# KiCad board Eclipse65.kicad_pcb (continued)
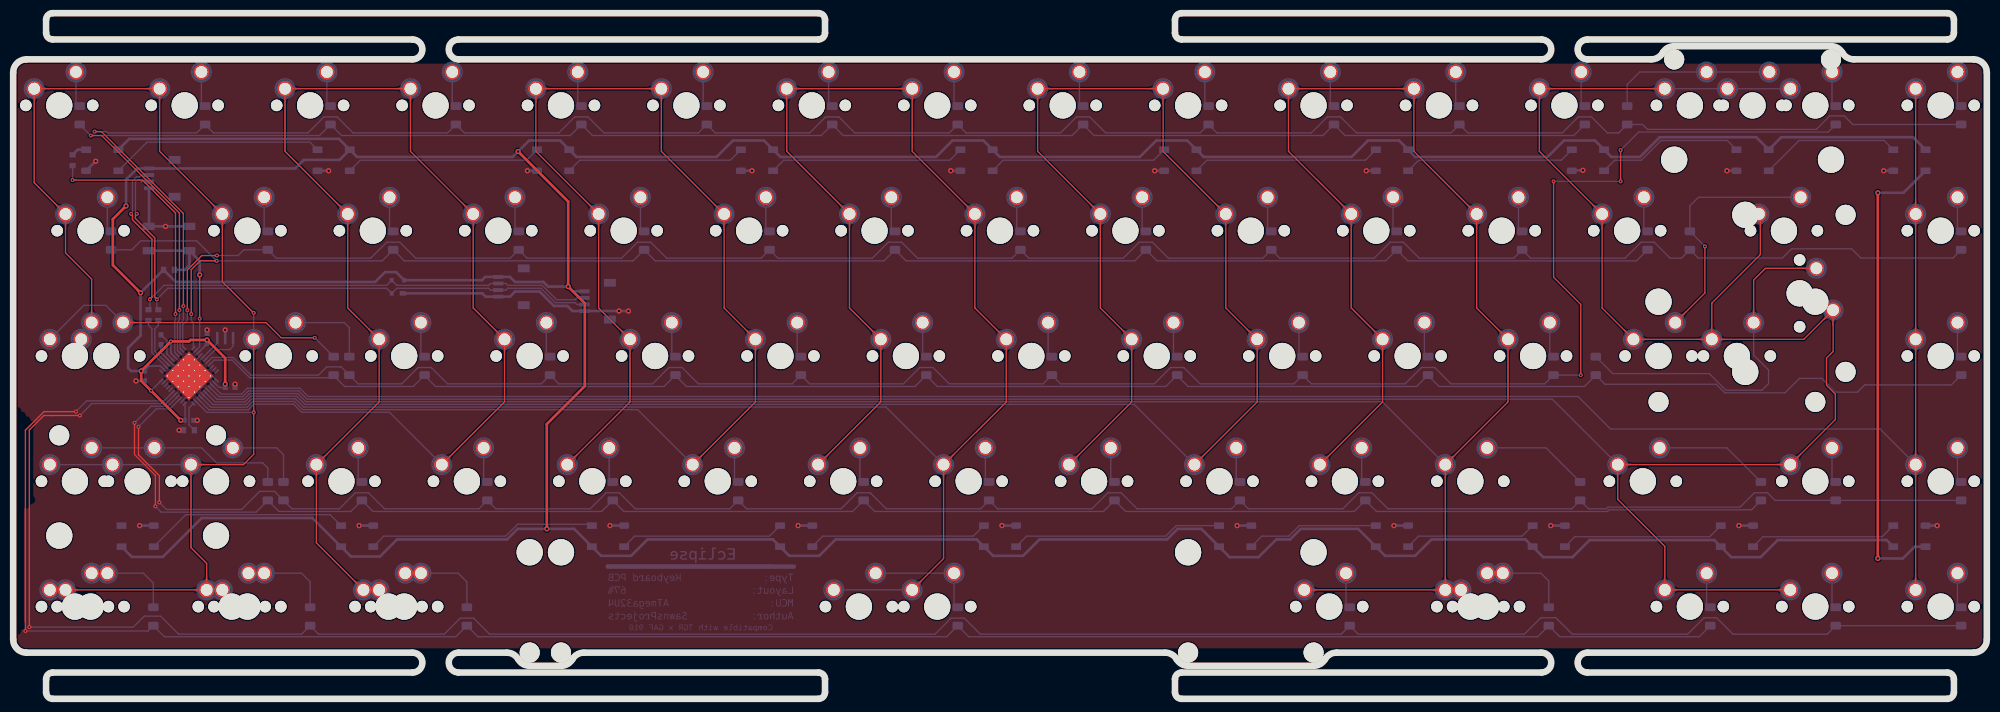
[diagram p0: board, top side]
## Copper pours and planes (outline as drawn; the poured copper is in the pictures) (continued)
Net-(D67-Pad2) on Bottom: 65.12,19.2 64.98,19.21 64.85,19.22 64.73,19.23 64.62,19.24 64.52,19.27 64.42,19.29 64.33,19.32 64.25,19.35 64.17,19.39 64.1,19.43 64.02,19.47 63.96,19.52 63.89,19.57 63.83,19.62 63.77,19.67 63.71,19.72 63.4,20.01 63.33,20.07 63.26,20.13 63.19,20.19 63.11,20.25 63.02,20.31 62.93,20.37 62.84,20.43 62.73,20.49 62.62,20.54 61.13,19.1 62.62,17.66 62.73,17.72 62.84,17.78 62.93,17.84 63.02,17.9 63.11,17.96 63.19,18.02 63.26,18.08 63.33,18.14 63.4,18.2 63.71,18.49 63.77,18.54 63.83,18.59 63.89,18.64 63.96,18.69 64.02,18.74 64.1,18.78 64.17,18.82 64.25,18.86 64.33,18.89 64.42,18.92 64.52,18.94 64.62,18.97 64.73,18.98 64.85,18.99 64.98,19 65.12,19
Net-(D67-Pad2) on Bottom: 64.32,19.2 64.22,19.21 64.12,19.21 64.03,19.22 63.95,19.23 63.87,19.25 63.8,19.27 63.73,19.29 63.67,19.31 63.61,19.34 63.55,19.37 63.5,19.4 63.45,19.43 63.4,19.47 63.35,19.5 62.92,19.88 62.87,19.93 62.81,19.97 62.75,20.01 62.68,20.06 62.61,20.1 62.53,20.14 62.45,20.18 61.33,19.1 62.45,18.02 62.53,18.07 62.61,18.11 62.68,18.15 62.75,18.2 62.81,18.24 62.87,18.28 62.92,18.33 63.35,18.71 63.4,18.74 63.45,18.78 63.5,18.81 63.55,18.84 63.61,18.87 63.67,18.9 63.73,18.92 63.8,18.94 63.87,18.96 63.95,18.98 64.03,18.99 64.12,19 64.22,19 64.32,19
Net-(D68-Pad2) on Bottom: 229.42,19.2 229.29,19.21 229.16,19.22 229.04,19.23 228.93,19.24 228.83,19.27 228.73,19.29 228.64,19.32 228.56,19.35 228.48,19.39 228.4,19.43 228.33,19.47 228.26,19.52 228.2,19.57 228.13,19.62 228.07,19.67 228.01,19.72 227.7,20.01 227.64,20.07 227.57,20.13 227.49,20.19 227.41,20.25 227.33,20.31 227.24,20.37 227.14,20.43 227.04,20.49 226.93,20.54 225.43,19.1 226.93,17.66 227.04,17.72 227.14,17.78 227.24,17.84 227.33,17.9 227.41,17.96 227.49,18.02 227.57,18.08 227.64,18.14 227.7,18.2 228.01,18.49 228.07,18.54 228.13,18.59 228.2,18.64 228.26,18.69 228.33,18.74 228.4,18.78 228.48,18.82 228.56,18.86 228.64,18.89 228.73,18.92 228.83,18.94 228.93,18.97 229.04,18.98 229.16,18.99 229.29,19 229.42,19
Net-(D68-Pad2) on Bottom: 228.62,19.2 228.52,19.21 228.43,19.21 228.34,19.22 228.26,19.23 228.18,19.25 228.11,19.27 228.04,19.29 227.97,19.31 227.92,19.34 227.86,19.37 227.81,19.4 227.75,19.43 227.71,19.47 227.66,19.5 227.23,19.88 227.17,19.93 227.12,19.97 227.05,20.01 226.99,20.06 226.91,20.1 226.84,20.14 226.76,20.18 225.63,19.1 226.76,18.02 226.84,18.07 226.91,18.11 226.99,18.15 227.05,18.2 227.12,18.24 227.17,18.28 227.23,18.33 227.66,18.71 227.71,18.74 227.75,18.78 227.81,18.81 227.86,18.84 227.92,18.87 227.97,18.9 228.04,18.92 228.11,18.94 228.18,18.96 228.26,18.98 228.34,18.99 228.43,19 228.52,19 228.62,19
Net-(D68-Pad2) on Bottom: 233.12,15.11 232.68,14.19 233.22,13.62 233.76,14.19 233.32,15.11
Net-(D69-Pad2) on Bottom: 142.99,16.71 142.99,16.82 143,16.91 143.01,17 143.02,17.08 143.03,17.16 143.05,17.23 143.07,17.3 143.1,17.36 143.12,17.42 143.15,17.48 143.18,17.53 143.22,17.58 143.25,17.63 143.29,17.68 143.67,18.11 143.71,18.16 143.76,18.22 143.8,18.29 143.84,18.35 143.89,18.42 143.93,18.5 143.97,18.58 142.89,19.7 141.81,18.58 141.85,18.5 141.89,18.42 141.94,18.35 141.98,18.29 142.02,18.22 142.07,18.16 142.11,18.11 142.49,17.68 142.53,17.63 142.56,17.58 142.6,17.53 142.63,17.48 142.66,17.42 142.68,17.36 142.71,17.3 142.73,17.23 142.75,17.16 142.76,17.08 142.77,17 142.78,16.91 142.79,16.82 142.79,16.71
Net-(D69-Pad2) on Bottom: 142.99,15.91 142.99,16.05 143,16.18 143.01,16.3 143.03,16.41 143.05,16.51 143.08,16.61 143.11,16.7 143.14,16.78 143.18,16.86 143.21,16.94 143.26,17.01 143.3,17.08 143.35,17.14 143.4,17.2 143.45,17.27 143.51,17.33 143.8,17.63 143.86,17.7 143.92,17.77 143.98,17.85 144.04,17.93 144.1,18.01 144.16,18.1 144.22,18.2 144.27,18.3 144.33,18.41 142.89,19.9 141.45,18.41 141.51,18.3 141.56,18.2 141.62,18.1 141.68,18.01 141.74,17.93 141.8,17.85 141.86,17.77 141.92,17.7 141.98,17.63 142.27,17.33 142.33,17.27 142.38,17.2 142.43,17.14 142.48,17.08 142.52,17.01 142.57,16.94 142.6,16.86 142.64,16.78 142.67,16.7 142.7,16.61 142.73,16.51 142.75,16.41 142.77,16.3 142.78,16.18 142.79,16.05 142.79,15.91
Net-(D69-Pad2) on Bottom: 133.37,19.2 133.27,19.21 133.18,19.21 133.09,19.22 133.01,19.23 132.93,19.25 132.86,19.27 132.79,19.29 132.72,19.31 132.67,19.34 132.61,19.37 132.56,19.4 132.5,19.43 132.46,19.47 132.41,19.5 131.98,19.88 131.92,19.93 131.87,19.97 131.8,20.01 131.74,20.06 131.66,20.1 131.59,20.14 131.51,20.18 130.38,19.1 131.51,18.02 131.59,18.07 131.66,18.11 131.74,18.15 131.8,18.2 131.87,18.24 131.92,18.28 131.98,18.33 132.41,18.71 132.46,18.74 132.5,18.78 132.56,18.81 132.61,18.84 132.67,18.87 132.72,18.9 132.79,18.92 132.86,18.94 132.93,18.96 133.01,18.98 133.09,18.99 133.18,19 133.27,19 133.37,19
Net-(D69-Pad2) on Bottom: 134.17,19.2 134.04,19.21 133.91,19.22 133.79,19.23 133.68,19.24 133.58,19.27 133.48,19.29 133.39,19.32 133.31,19.35 133.23,19.39 133.15,19.43 133.08,19.47 133.01,19.52 132.95,19.57 132.88,19.62 132.82,19.67 132.76,19.72 132.45,20.01 132.39,20.07 132.32,20.13 132.24,20.19 132.16,20.25 132.08,20.31 131.99,20.37 131.89,20.43 131.79,20.49 131.68,20.54 130.18,19.1 131.68,17.66 131.79,17.72 131.89,17.78 131.99,17.84 132.08,17.9 132.16,17.96 132.24,18.02 132.32,18.08 132.39,18.14 132.45,18.2 132.76,18.49 132.82,18.54 132.88,18.59 132.95,18.64 133.01,18.69 133.08,18.74 133.15,18.78 133.23,18.82 133.31,18.86 133.39,18.89 133.48,18.92 133.58,18.94 133.68,18.97 133.79,18.98 133.91,18.99 134.04,19 134.17,19
Net-(D69-Pad2) on Bottom: 140.5,19 140.6,19 140.7,19 140.79,18.99 140.87,18.98 140.95,18.96 141.02,18.94 141.09,18.92 141.15,18.9 141.21,18.87 141.26,18.84 141.32,18.81 141.37,18.78 141.42,18.74 141.47,18.71 141.89,18.33 141.95,18.28 142.01,18.24 142.07,18.2 142.14,18.15 142.21,18.11 142.29,18.07 142.37,18.02 143.49,19.1 142.37,20.18 142.29,20.14 142.21,20.1 142.14,20.06 142.07,20.01 142.01,19.97 141.95,19.93 141.89,19.88 141.47,19.5 141.42,19.47 141.37,19.43 141.32,19.4 141.26,19.37 141.21,19.34 141.15,19.31 141.09,19.29 141.02,19.27 140.95,19.25 140.87,19.23 140.79,19.22 140.7,19.21 140.6,19.21 140.5,19.2
Net-(D69-Pad2) on Bottom: 139.7,19 139.84,19 139.96,18.99 140.08,18.98 140.19,18.97 140.3,18.94 140.39,18.92 140.48,18.89 140.57,18.86 140.65,18.82 140.72,18.78 140.79,18.74 140.86,18.69 140.93,18.64 140.99,18.59 141.05,18.54 141.11,18.49 141.42,18.2 141.49,18.14 141.56,18.08 141.63,18.02 141.71,17.96 141.8,17.9 141.88,17.84 141.98,17.78 142.08,17.72 142.19,17.66 143.69,19.1 142.19,20.54 142.08,20.49 141.98,20.43 141.88,20.37 141.8,20.31 141.71,20.25 141.63,20.19 141.56,20.13 141.49,20.07 141.42,20.01 141.11,19.72 141.05,19.67 140.99,19.62 140.93,19.57 140.86,19.52 140.79,19.47 140.72,19.43 140.65,19.39 140.57,19.35 140.48,19.32 140.39,19.29 140.3,19.27 140.19,19.24 140.08,19.23 139.96,19.22 139.84,19.21 139.7,19.2
Net-(D71-Pad2) on Bottom: 257.29,15.91 257.29,16.05 257.3,16.18 257.31,16.3 257.33,16.41 257.35,16.51 257.38,16.61 257.41,16.7 257.44,16.78 257.48,16.86 257.51,16.94 257.56,17.01 257.6,17.08 257.65,17.14 257.7,17.2 257.75,17.27 257.81,17.33 258.1,17.63 258.16,17.7 258.22,17.77 258.28,17.85 258.34,17.93 258.4,18.01 258.46,18.1 258.52,18.2 258.57,18.3 258.63,18.41 257.19,19.9 255.75,18.41 255.81,18.3 255.86,18.2 255.92,18.1 255.98,18.01 256.04,17.93 256.1,17.85 256.16,17.77 256.22,17.7 256.28,17.63 256.57,17.33 256.63,17.27 256.68,17.2 256.73,17.14 256.78,17.08 256.82,17.01 256.87,16.94 256.9,16.86 256.94,16.78 256.97,16.7 257,16.61 257.03,16.51 257.05,16.41 257.07,16.3 257.08,16.18 257.09,16.05 257.09,15.91
Net-(D71-Pad2) on Bottom: 257.29,16.71 257.29,16.82 257.3,16.91 257.31,17 257.32,17.08 257.33,17.16 257.35,17.23 257.37,17.3 257.4,17.36 257.42,17.42 257.45,17.48 257.48,17.53 257.52,17.58 257.55,17.63 257.59,17.68 257.97,18.11 258.01,18.16 258.06,18.22 258.1,18.29 258.14,18.35 258.19,18.42 258.23,18.5 258.27,18.58 257.19,19.7 256.11,18.58 256.15,18.5 256.19,18.42 256.24,18.35 256.28,18.29 256.32,18.22 256.37,18.16 256.41,18.11 256.79,17.68 256.83,17.63 256.86,17.58 256.9,17.53 256.93,17.48 256.96,17.42 256.98,17.36 257.01,17.3 257.03,17.23 257.05,17.16 257.06,17.08 257.07,17 257.08,16.91 257.09,16.82 257.09,16.71
Net-(D72-Pad2) on Bottom: 276.34,16.71 276.34,16.82 276.35,16.91 276.36,17 276.37,17.08 276.38,17.16 276.4,17.23 276.42,17.3 276.45,17.36 276.47,17.42 276.5,17.48 276.53,17.53 276.57,17.58 276.6,17.63 276.64,17.68 277.02,18.11 277.06,18.16 277.11,18.22 277.15,18.29 277.19,18.35 277.24,18.42 277.28,18.5 277.32,18.58 276.24,19.7 275.16,18.58 275.2,18.5 275.24,18.42 275.29,18.35 275.33,18.29 275.37,18.22 275.42,18.16 275.46,18.11 275.84,17.68 275.88,17.63 275.91,17.58 275.95,17.53 275.98,17.48 276.01,17.42 276.03,17.36 276.06,17.3 276.08,17.23 276.1,17.16 276.11,17.08 276.12,17 276.13,16.91 276.14,16.82 276.14,16.71
Net-(D72-Pad2) on Bottom: 276.34,15.91 276.34,16.05 276.35,16.18 276.36,16.3 276.38,16.41 276.4,16.51 276.43,16.61 276.46,16.7 276.49,16.78 276.53,16.86 276.56,16.94 276.61,17.01 276.65,17.08 276.7,17.14 276.75,17.2 276.8,17.27 276.86,17.33 277.15,17.63 277.21,17.7 277.27,17.77 277.33,17.85 277.39,17.93 277.45,18.01 277.51,18.1 277.57,18.2 277.62,18.3 277.68,18.41 276.24,19.9 274.8,18.41 274.86,18.3 274.91,18.2 274.97,18.1 275.03,18.01 275.09,17.93 275.15,17.85 275.21,17.77 275.27,17.7 275.33,17.63 275.62,17.33 275.68,17.27 275.73,17.2 275.78,17.14 275.83,17.08 275.87,17.01 275.92,16.94 275.95,16.86 275.99,16.78 276.02,16.7 276.05,16.61 276.08,16.51 276.1,16.41 276.12,16.3 276.13,16.18 276.14,16.05 276.14,15.91
Net-(R4-Pad2) on Bottom: 27.68,67.51 27.29,68.31 26.57,68.33 26.59,67.61 27.4,67.22
Net-(R4-Pad2) on Bottom: 26.97,67.04 27.26,67.89 26.77,68.41 26.27,67.89 26.57,67.04
Net-(R4-Pad2) on Bottom: 21.66,68.33 20.81,68.63 20.29,68.13 20.81,67.64 21.66,67.93
Net-(R4-Pad2) on Bottom: 25.68,67.93 26.53,67.64 27.04,68.13 26.53,68.63 25.68,68.33
Net-(RGB14-Pad4) on Bottom: 182.15,26.24 182.93,25.89 183.39,26.34 182.93,26.79 182.15,26.44
Net-(RGB15-Pad4) on Bottom: 205.97,26.24 206.74,25.89 207.21,26.34 206.74,26.79 205.97,26.44
Net-(RGB19-Pad2) on Bottom: 289.88,79.45 290.6,79.82 290.61,80.47 289.97,80.45 289.6,79.73
Net-(RGB19-Pad2) on Bottom: 289.45,22.94 290.22,22.69 290.69,23.14 290.22,23.59 289.45,23.34

Small or netless copper shapes (teardrops, artwork), in the pictures only: 43 on Top, 262 on Bottom
